# Altium PCB VAMoS Rev C.PcbDoc (part 2 of 2)
Units mm, origin at the board's own origin, x right, y up, seen from the top; angles counter-clockwise.
Board outline 72.16 x 90.81 mm, 4 copper layers (Top Signal Layer, Power Plane, Ground Plane, Bottom Signal Layer), stack 1.554 mm thick; 228 components, 106 nets, 614 pads, 749 vias.
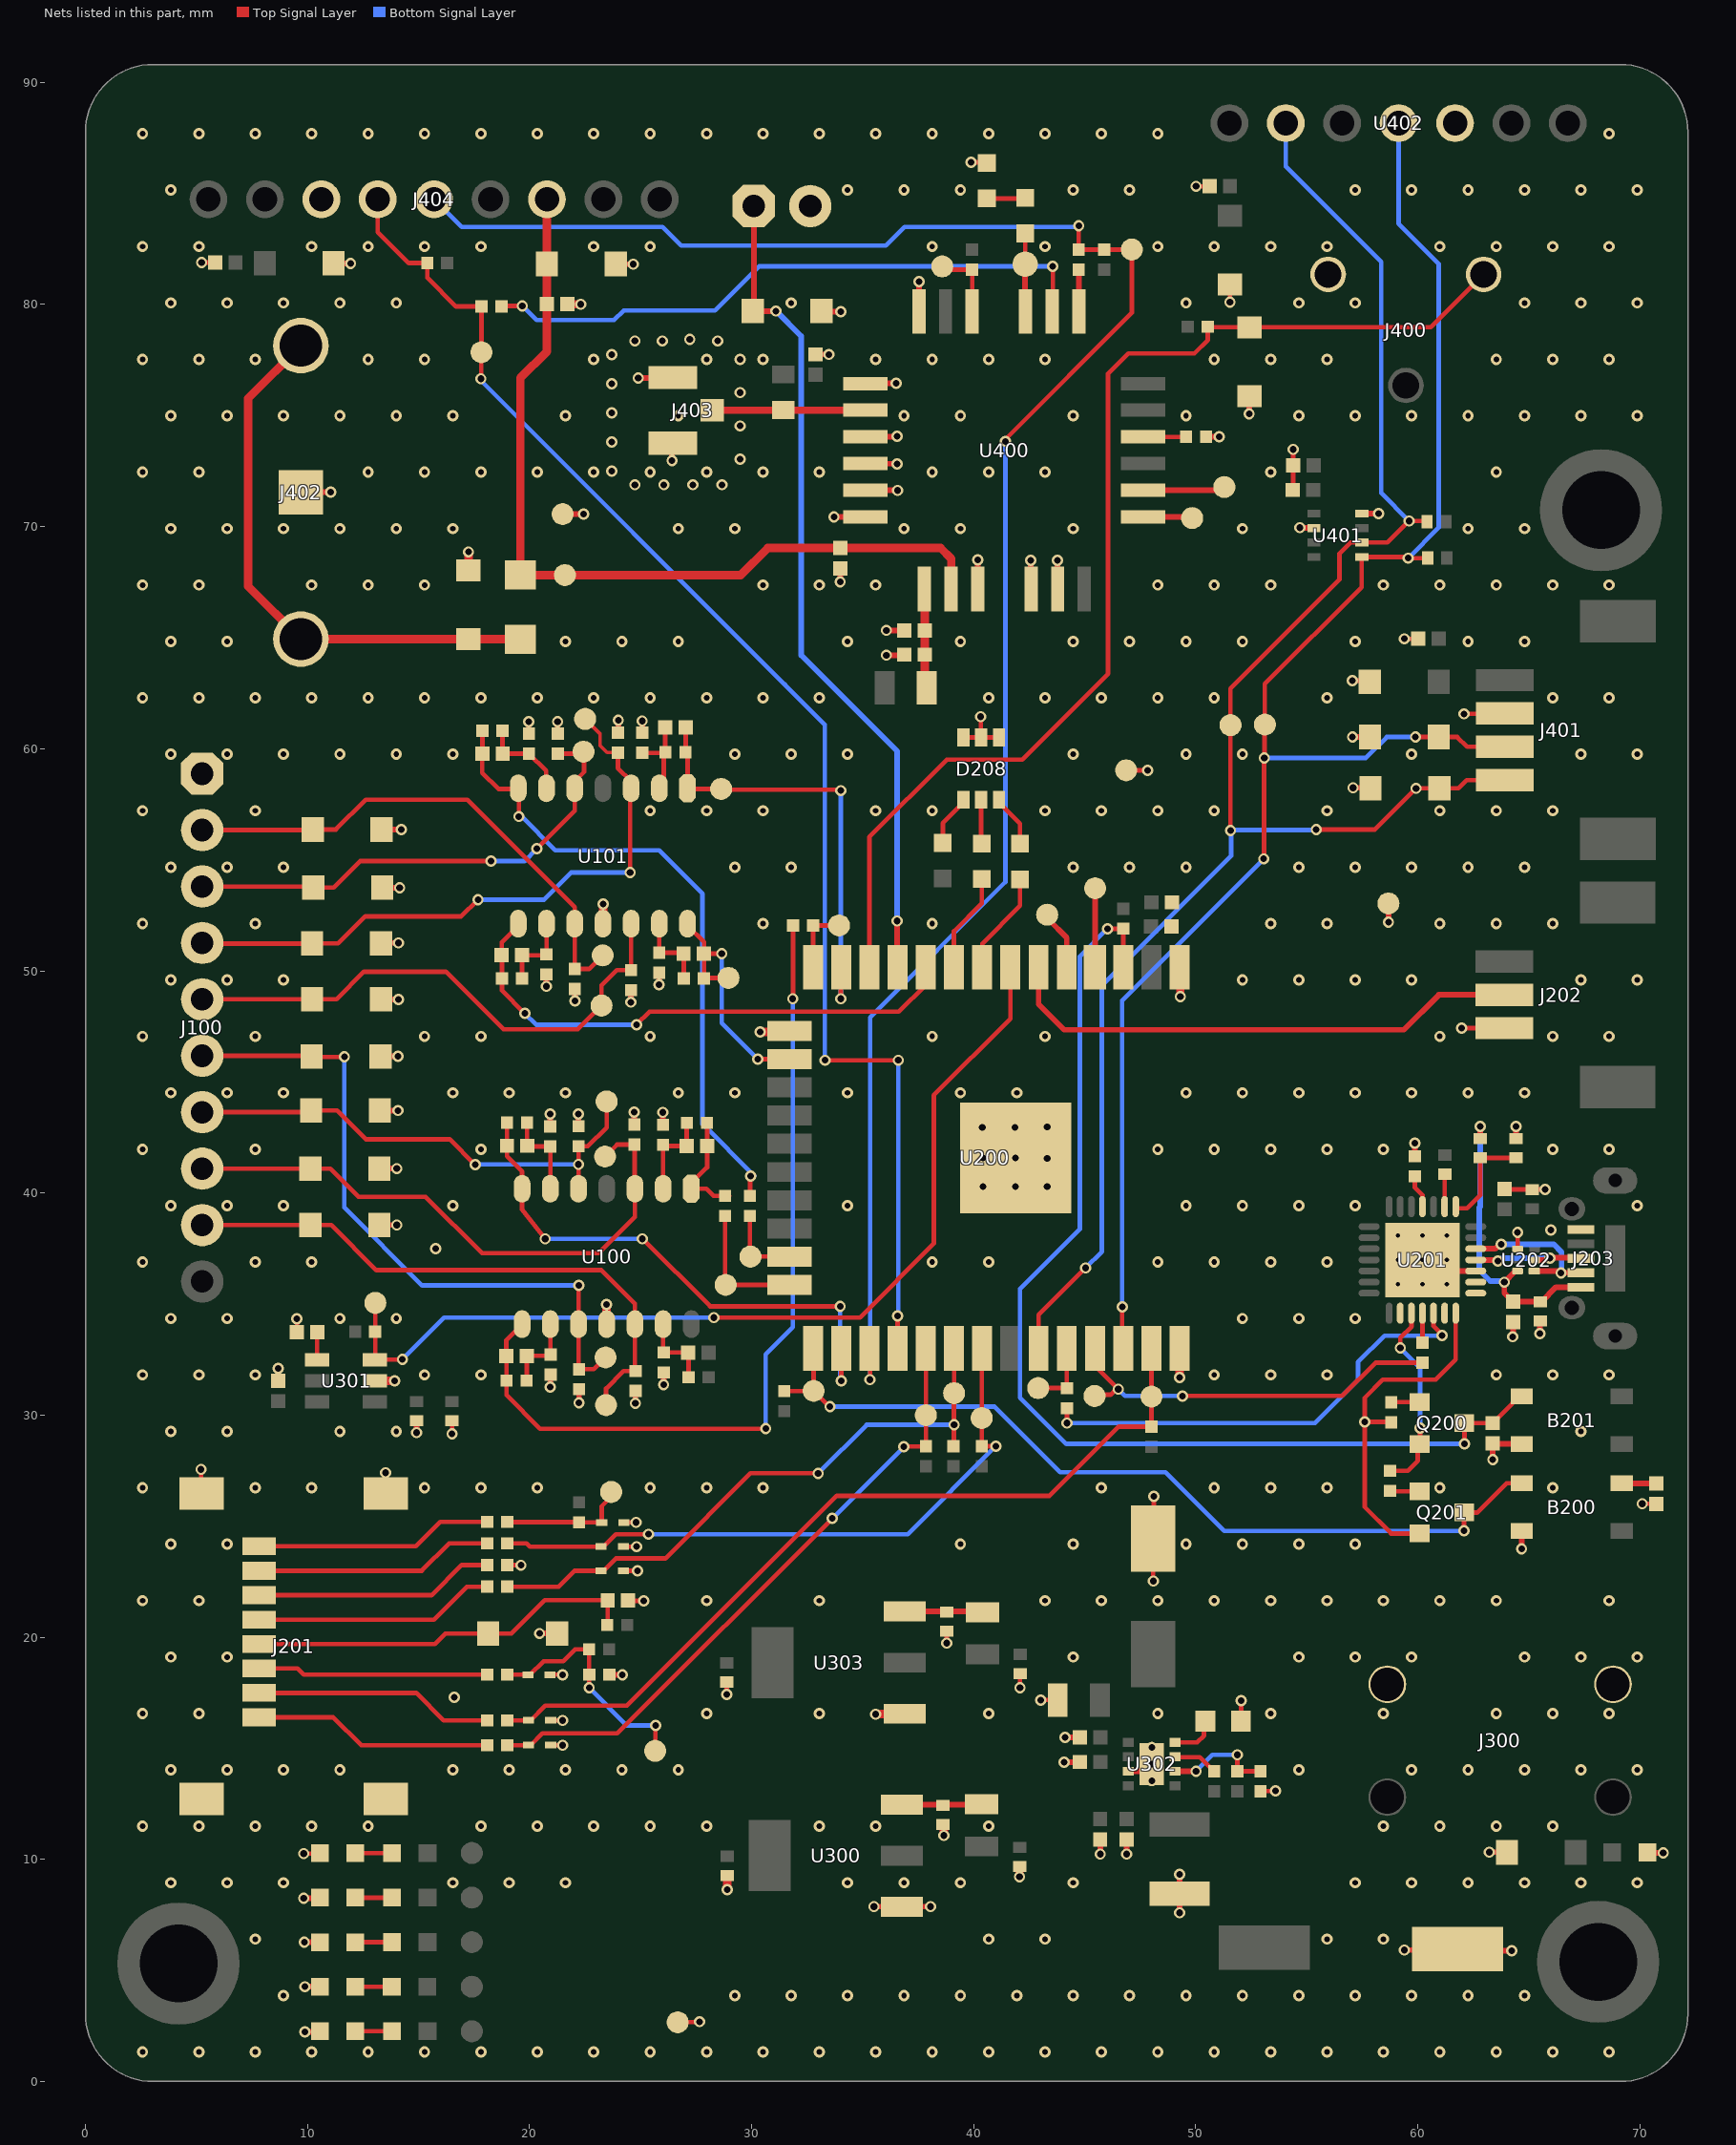
[diagram p4: the nets of this part, all layers, seen from the top]

## Via types
v1: diameter 0.508, hole 0.254, Top Signal Layer to Bottom Signal Layer, tented both sides, 474 vias
v2: diameter 0.508, hole 0.305, Top Signal Layer to Bottom Signal Layer, tented both sides, 245 vias
v3: diameter 0.889, hole 0.457, Top Signal Layer to Bottom Signal Layer, tented both sides, 10 vias
v4: diameter 0.5, hole 0.2, Top Signal Layer to Bottom Signal Layer, tented both sides, 9 vias
v5: diameter 0.508, hole 0.305, Top Signal Layer to Bottom Signal Layer, tented bottom, 6 vias
v6: diameter 0.508, hole 0.305, Top Signal Layer to Bottom Signal Layer, 3 vias
v7: diameter 0.889, hole 0.457, Top Signal Layer to Bottom Signal Layer, 2 vias

## Nets (pads, with @x,y where several pads share a name; then routed paths per layer and width w, separated by ;. In a path a pad name is that pad's centre, name@x,y a point inside that pad or via, vN(x,y) a via of type N, cw(c..) or ccw(c..) an arc to the next point about the centre after c; other vN are vias at no path point) (continued)
ALPHS1: C101.2 R109.2 R204.2 U100.1 | length 5.1
  Top Signal Layer w0.203: C101.2@27.86,42.049 C101.2@27.87,42.039 ; R109.2@27.984,43.155 R109.2@27.991,43.162 ; R109.2@27.994,43.145 C101.2@27.994,42.113 27.994,41.151 27.284,40.441 U100.1@27.284,40.191 27.957,40.191 28.277,39.871 R204.2@28.981,39.871
ALPHS2: C102.2 R110.2 U100.7 U200.26 | length 25.2
  Top Signal Layer w0.203: R110.2@18.992,43.102 18.982,43.092 C102.2@18.982,42.124 18.982,41.648 19.664,40.966 U100.7@19.664,40.191 19.664,39.254 v2(20.701,37.937) ; v2(25.076,37.937) 25.093,37.937 28.13,34.9 v2(33.985,34.9) ; U200.26@34.03,33.005 34.011,32.986 34.036,32.96 v2(34.036,31.547)
  Bottom Signal Layer w0.203: v2(20.701,37.937) v2(25.076,37.937) ; v2(33.985,34.9) 33.985,31.598 v2(34.036,31.547)
ALPHS3: C103.2 R111.2 R205.2 U100.8 | length 39
  Top Signal Layer w0.203: U100.8@19.664,34.095 18.953,33.384 C103.2@18.953,32.669 18.963,32.659 R111.2@18.963,31.557 18.963,30.9 20.475,29.388 v2(30.632,29.388) ; v2(31.852,48.743) 31.866,48.757 R205.2@31.866,52.045
  Bottom Signal Layer w0.203: v2(30.632,29.388) 30.632,32.741 31.852,33.96 v2(31.852,48.743)
ALPHS4: C104.2 R120.2 TP207.1 U101.14 U200.16 | length 11.7
  Top Signal Layer w0.203: U101.14@27.112,52.123 27.112,52.034 27.854,51.292 C104.2@27.854,50.777 ; R120.2@27.844,49.661 R120.2@27.854,49.671 ; v2(28.651,50.775) 27.856,50.775 C104.2@27.854,50.777 ; TP207.1@29.083,49.682 TP207.1@28.956,49.682 27.866,49.682 R120.2@27.854,49.671 ; v2(30.277,46.025) U200.16@31.71,46.025 ; R120.2@27.854,49.671 C104.2@27.854,50.777
  Bottom Signal Layer w0.203: v2(28.651,50.775) 28.651,47.65 v2(30.277,46.025)
ALPHS5: C105.2 R121.2 TP206.1 U101.1 U200.13 | length 20.7
  Top Signal Layer w0.203: R121.2@27.018,59.842 27.112,59.749 U101.1@27.112,58.219 ; R121.2@27.028,59.906 C105.2@27.028,60.96 ; U101.1@27.112,57.969 U101.1@27.112,58.219 ; v2(34.011,48.743) 34.011,50.136 U200.13@34.03,50.155 ; v2(34.011,58.115) 33.972,58.153 28.664,58.153 TP206.1@28.626,58.191 27.139,58.191 U101.1@27.112,58.219
  Bottom Signal Layer w0.203: v2(34.011,48.743) v2(34.011,58.115)
ALPHS6: C106.2 R122.2 R200.2 U101.7 | length 29.4
  Top Signal Layer w0.203: R122.2@17.848,60.777 R122.2@17.881,60.81 17.881,59.79 C106.2@17.871,59.78 17.871,58.914 18.593,58.191 19.464,58.191 U101.7@19.492,58.219 19.517,58.193 v2(19.517,56.949) ; R200.2@29.921,39.871 29.934,39.884 29.934,40.754 v2(29.947,40.767)
  Bottom Signal Layer w0.203: v2(19.517,56.949) 19.644,56.949 21.163,55.43 25.829,55.43 27.788,53.471 27.788,44.958 27.788,43.104 v2@30.124,40.767
ALPHS7: C107.2 R123.2 U101.8 U200.10 | length 24.5
  Top Signal Layer w0.203: U101.8@19.492,52.123 19.492,52.034 18.744,51.286 C107.2@18.744,50.705 18.762,50.686 R123.2@18.762,49.659 18.762,49.106 v2@19.761,48.108 ; v2(24.816,47.574) 25.4,48.158 36.627,48.158 37.84,49.371 U200.10@37.84,50.155
  Bottom Signal Layer w0.203: v2(19.787,48.082) 20.295,47.574 v2(24.816,47.574)
ALPHS_EN: R300.1 TP304.1 U200.7 U301.3 | length 43.7
  Top Signal Layer w0.203: U301.3@13.035,32.497 U301.3@13.042,32.504 ; TP304.1@13.056,35.052 13.056,32.518 U301.3@13.042,32.504 ; v2(14.275,32.512) 14.267,32.504 U301.3@13.042,32.504 ; v2(28.296,34.392) 34.877,34.392 38.202,37.716 38.202,44.399 41.65,47.847 U200.7@41.65,50.155
  Bottom Signal Layer w0.203: v2(14.275,32.512) 16.154,34.392 v2(28.296,34.392)
BOOT14: R205.1 TP213.1 U200.14 | length 3.1
  Top Signal Layer w0.203: U200.14@32.76,50.155 32.766,50.161 R205.1@32.766,52.045 TP213.1@33.934,52.045
BOOT23: R200.1 TP212.1 U200.23 | length 3.6
  Top Signal Layer w0.203: R200.1@29.921,38.971 29.921,37.135 U200.23@31.71,37.135
BOOT24: R204.1 TP211.1 U200.24 | length 6
  Top Signal Layer w0.203: R204.1@28.804,38.971 28.804,35.865 U200.24@31.71,35.865
BOOT25: B200.1 Q201.3 R203.1 TP210.1 U200.25 | length 38.8
  Top Signal Layer w0.203: R203.1@31.471,31.082 31.474,31.086 32.788,31.086 TP210.1@32.791,31.09 33.503,30.378 v2(33.528,30.378) ; U200.25@32.76,33.005 32.791,32.973 TP210.1@32.791,31.445 ; v2(62.078,24.79) Q201.3@62.078,25.611 ; Q201.3@62.087,25.621 Q201.3@62.078,25.611 ; B200.1@64.679,26.932 63.991,26.932 62.67,25.611 Q201.3@62.078,25.611
  Bottom Signal Layer w0.203: v2(33.528,30.378) 40.945,30.378 43.891,27.432 48.641,27.432 51.283,24.79 v2(62.078,24.79)
CP_RX: R222.1 U201.25 | length 1.4
  Top Signal Layer w0.203: R222.1@60.198,33.249 R222.1@60.205,33.256 U201.25@60.205,34.663
CP_TX: R221.1 U201.26 | length 20.9
  Top Signal Layer w0.203: v2(44.196,29.642) R221.1@44.196,30.309 ; U201.26@60.706,34.662 60.706,34.011 61.087,33.63 v2(61.087,33.579)
  Bottom Signal Layer w0.203: v2(44.196,29.642) 55.372,29.642 57.302,31.572 57.302,32.385 58.496,33.579 v2(61.087,33.579)
CTS: U201.23
DCD: U201.1
DSR: U201.27
DTR: Q201.2 R228.2 U201.28 | length 16.1
  Top Signal Layer w0.203: R228.2@58.801,29.674 58.783,29.693 v2(57.607,29.693) ; Q201.2@60.087,24.671 58.794,24.671 57.607,25.857 v2(57.607,29.693) ; U201.28@61.705,34.663 61.705,32.495 60.808,31.598 58.42,31.598 57.607,30.785 v2(57.607,29.693)
ESP_RX: R221.2 TP214.1 U200.34 | length 3
  Top Signal Layer w0.203: TP214.1@42.901,31.445 43.129,31.217 43.962,31.217 44.075,31.33 R221.2@44.19,31.444 ; U200.34@44.19,33.005 R221.2@44.19,31.444 ; R221.2@44.196,31.438 R221.2@44.19,31.444
ESP_TX: R222.2 TP215.1 U200.35 | length 17.9
  Top Signal Layer w0.203: TP215.1@45.441,30.919 46.164,30.919 46.411,31.166 v2(46.507,31.166) 46.459,31.214 45.46,32.214 U200.35@45.46,33.005 ; v2(49.403,30.861) 56.591,30.861 58.086,32.356 R222.2@60.205,32.356
  Bottom Signal Layer w0.203: v2(46.507,31.166) 46.812,30.861 v2(49.403,30.861)
EXT_TEMP: D404.1 J400.1 R400.1 U200.12 | length 52.6
  Top Signal Layer w0.203: U200.12@35.3,50.155 35.3,56.026 38.786,59.512 42.189,59.512 46.05,63.373 46.05,76.886 46.965,77.8 49.936,77.8 50.539,78.403 R400.1@50.539,78.994 50.551,78.982 52.413,78.982 D404.1@52.426,78.969 52.428,78.972 60.577,78.972 J400.1@62.961,81.356 J400.1@63.24,81.356
GND: B200.3 B201.3 C200.2 C201.1 C202.2 C203.1 C204.2 C206.2 C207.1 C208.2 C209.2 C300.1 C301.1 C302.1 C303.2 C304.1 C305.1 C306.2 C307.1 C308.2 C309.1 C310.2 C311.2 C312.1 C313.1 C314.1 C315.2 C316.2 C317.1 C318.2 C319.2 C400.1 C401.1 C402.1 C403.1 C404.2 C405.1 C406.1 C407.1 C408.1 C409.1 D100.2 D101.2 D102.2 D103.2 D104.2 D105.2 D106.2 D107.2 D200.2 D201.2 D202.1 D203.1 D204.1 D205.1 D206.1 D207.1 D208.1 D208.2 D208.3 D300.2 D301.2 D302.2 D303.2 D304.2 D305.2 D400.2 D401.2 D402.2 D403.2 D404.2 D405.2 D407.2 D409.2 D410.2 J100.1 J200.2 J201.9 J201.10 J201.11 J201.12 J202.3 J203.5 J300.1 J400.3 J401.2 J402.2 J403.GND J404.7 R100.1 R101.1 R102.1 R103.1 R104.1 R105.1 R106.1 R107.1 R112.1 R113.1 R114.1 R115.1 R116.1 R117.1 R118.1 R119.1 R201.2 R223.2 R225.1 R227.2 R304.1 R405.1 TP300.1 TP301.1 TP302.1 TP303.1 U100.11 U101.11 U200.1 U200.15 U200.38 U201.3 U201.29 U202.4 U300.1 U301.2 U302.3 U303.1 U400.1 U400.3 U400.4 U400.5 U400.6 U400.9 U400.10 U400.11 U400.24 U401.1 U401.7 U402.3 | length 116.7
  Top Signal Layer w0.203: v2(5.207,27.559) 5.207,26.507 5.232,26.482 J201.9@5.223,26.473 ; v2(5.232,81.89) C408.1@5.839,81.89 ; C311.2@8.687,31.518 v2(8.687,32.106) ; C310.2@9.519,33.731 9.525,33.737 v2(9.525,34.341) ; v2(9.83,10.262) 10.535,10.262 D301.2@10.554,10.281 ; v2(13.513,27.407) 13.513,26.483 J201.10@13.523,26.473 ; v2(16.51,29.159) C313.1@16.51,29.745 ; R201.2@18.992,23.249 18.996,23.245 19.605,23.245 v2(19.609,23.241) ; v2(19.964,61.214) 19.964,60.685 R116.1@19.974,60.675 ; D205.1@20.922,18.313 v2(21.488,18.313) ; D207.1@20.947,15.138 v2(21.488,15.138) ; D206.1@20.947,16.256 v2(21.488,16.256) ; D204.1@24.224,22.987 v2(24.867,22.987) ; D203.1@24.224,24.079 v2(24.816,24.079) ; D202.1@24.249,25.171 v2(24.79,25.171) ; C200.2@24.438,21.666 24.463,21.641 v2(25.146,21.641) ; TP300.1@26.67,2.667 26.683,2.68 27.648,2.68 v2(27.661,2.692) ; v2(28.88,17.424) C317.1@28.88,17.955 ; U200.15@31.659,47.244 U200.15@31.71,47.295 ; v2(38.786,19.736) 38.786,20.243 C314.1@38.79,20.247 ; D208.3@39.535,60.506 D208.2@40.335,60.506 ; v2(39.878,86.398) 40.564,86.398 D407.2@40.589,86.373 ; v2(40.31,61.443) 40.322,61.43 40.322,60.518 D208.2@40.335,60.506 ; D208.1@41.135,60.506 D208.2@40.335,60.506 ; v2(42.084,17.722) 42.084,18.334 C312.1@42.088,18.338 ; v2(43.019,17.174) 43.775,17.174 C304.1@43.779,17.17 ; TP302.1@46.863,59.03 v2(47.828,59.03) ; v2(48.082,22.53) C303.2@48.082,24.442 48.108,24.468 v2(48.108,26.34) ; U200.1@49.27,50.155 U200.1@49.301,50.123 ; v2(50.013,85.319) C402.1@50.619,85.319 ; v2(51.537,80.112) D403.2@51.537,80.898 ; C309.1@52.032,16.231 52.045,16.243 v2(52.045,17.145) ; R304.1@52.908,13.07 52.914,13.076 53.589,13.076 v2(53.594,13.081) ; C406.1@54.363,71.652 54.386,71.675 C407.1@54.386,72.75 v2(54.386,73.474) v2@54.394,73.482 ; v2(57.048,63.068) 57.784,63.068 D400.2@57.835,63.017 ; v2(59.385,64.948) C400.1@60.017,64.948 ; v2(61.976,47.422) J202.3@63.896,47.42 J202.3@63.896,47.42 J202.3@63.898,47.422 ; v2(62.078,61.57) 63.887,61.57 J401.2@63.905,61.588 ; C204.2@63.906,40.187 63.938,40.156 C203.1@65.151,40.156 65.152,40.157 v2(65.735,40.157) v2(65.735,40.157) ; U202.4@64.487,37.482 64.489,37.484 v2(64.491,38.227) v2(64.491,38.227) ; v2(70.104,26.01) 70.736,26.01 C208.2@70.739,26.007
  Top Signal Layer w0.254: J402.2@9.701,71.542 9.71,71.552 v2(11.049,71.552) ; v2(9.83,8.255) 10.279,8.255 10.493,8.468 D302.2@10.503,8.458 ; v2(9.855,6.274) 10.327,6.274 10.542,6.489 D303.2@10.554,6.477 ; v2(9.881,2.235) 10.686,2.235 10.721,2.271 D305.2@10.732,2.261 ; v2(9.881,4.267) 10.579,4.267 10.655,4.343 D304.2@10.671,4.328 ; D410.2@11.177,81.864 11.202,81.839 v2(11.938,81.839) ; D100.2@13.234,38.557 v2(14.021,38.557) ; D102.2@13.234,41.097 v2(14.021,41.097) ; D104.2@13.259,43.713 v2(14.072,43.713) ; D106.2@13.285,46.152 v2(14.072,46.152) ; D103.2@13.298,51.256 13.3,51.257 v2(14.097,51.257) ; D101.2@13.31,48.717 v2(14.097,48.717) ; D107.2@13.336,56.363 v2(14.224,56.363) ; D105.2@13.361,53.746 v2(14.148,53.746) ; v2(14.91,29.21) C305.1@14.91,29.747 ; v2(20.447,20.168) D201.2@21.235,20.168 ; v2(20.752,49.301) 20.757,49.306 20.757,49.839 R118.1@20.762,49.844 ; v2(20.93,31.267) 20.938,31.275 20.938,31.816 R107.1@20.946,31.824 ; R106.1@20.93,42.995 v2(20.93,43.561) ; v2(21.26,61.214) 21.26,60.685 R117.1@21.27,60.675 ; TP301.1@21.488,70.561 v2(22.428,70.561) v2@22.454,70.587 ; R119.1@22.032,49.184 22.039,49.176 22.039,48.649 v2(22.047,48.641) ; v2(22.2,43.561) 22.2,43.008 R103.1@22.204,43.004 ; v2@22.227,30.558 22.227,31.162 R104.1@22.229,31.164 ; U100.11@23.474,34.095 U100.11@23.489,34.079 ; R223.2@23.589,18.313 v2(24.181,18.313) ; D409.2@23.881,81.822 23.89,81.813 v2(24.663,81.813) ; R115.1@23.978,60.724 23.993,60.74 v2(23.993,61.276) ; v2(24.562,48.59) 24.562,49.123 R113.1@24.572,49.133 ; v2(24.714,43.637) 24.714,43.085 R102.1@24.719,43.079 ; v2(24.765,30.531) 24.765,31.033 24.74,31.058 R101.1@24.769,31.088 ; v2(24.892,76.683) 26.418,76.683 J403.GND@26.445,76.71 ; v2(25.068,61.25) 25.069,61.249 R114.1@25.07,60.724 R114.1@25.07,60.724 ; v2(25.832,49.378) 25.837,49.383 25.837,49.915 R112.1@25.842,49.92 ; v2(26.001,43.629) 26.005,43.625 26.005,43.076 R105.1@26.01,43.071 ; v2(26.035,31.369) 26.037,31.371 26.037,31.917 R100.1@26.039,31.919 ; v2(26.416,72.974) 26.416,73.73 J403.GND@26.445,73.76 ; C404.2@32.868,77.752 32.869,77.751 33.476,77.751 v2(33.477,77.749) ; D200.2@33.148,79.705 33.174,79.68 v2(34.011,79.68) ; v2(33.706,70.434) 35.124,70.434 U400.6@35.131,70.44 ; v2(33.985,67.513) C401.1@33.985,68.117 ; U400.5@35.131,71.64 35.137,71.634 36.57,71.634 v2(36.576,71.628) ; U400.4@35.131,72.84 35.14,72.831 36.541,72.831 v2(36.551,72.822) ; U400.3@35.131,74.04 35.144,74.053 36.538,74.053 v2(36.551,74.066) ; U400.1@35.131,76.44 35.17,76.479 35.195,76.454 v2(36.5,76.454) ; v2(35.509,7.874) 36.756,7.874 U300.1@36.761,7.869 36.766,7.874 v2(38.049,7.874) ; v2(36.068,64.211) 36.853,64.211 C405.1@36.878,64.237 ; v2(36.068,65.329) C403.1@36.878,65.329 ; U400.24@37.541,79.68 U400.24@37.531,79.69 37.536,79.696 37.536,81.021 v2(37.541,81.026) ; U400.9@40.181,67.901 U400.9@40.181,67.2 ; v2(40.183,68.504) 40.183,67.203 U400.9@40.181,67.2 ; v2(42.57,68.478) 42.57,67.201 U400.10@42.581,67.19 ; v2(43.764,68.478) 43.772,68.47 43.772,67.199 U400.11@43.781,67.19 ; v2(44.069,14.376) 44.074,14.381 44.779,14.381 C306.2@44.784,14.386 ; v2(44.12,15.494) C308.2@44.777,15.494 ; v2(45.695,10.236) C318.2@45.695,10.899 ; C319.2@46.879,10.899 46.884,10.894 46.884,10.241 v2(46.888,10.236) ; U302.3@46.965,13.965 47.69,13.965 U302.3@48.015,14.29 ; v2(49.276,7.595) C316.2@49.276,8.463 v2(49.276,9.322) ; R405.1@50.443,74.041 R405.1@50.463,74.041 v2(51.054,74.041) ; v2(52.4,75.082) 52.4,75.844 D404.2@52.426,75.869 ; v2(54.686,69.952) 54.695,69.943 55.31,69.943 U401.7@55.319,69.934 ; v2(57.056,60.528) D401.2@57.843,60.528 ; v2(57.082,58.242) 57.844,58.242 D402.2@57.869,58.217 ; U401.1@57.469,70.584 57.493,70.559 57.519,70.585 v2(58.229,70.585) ; v2(58.674,52.197) TP303.1@58.674,53.035 ; v2(59.385,5.918) 61.728,5.918 C315.2@61.779,5.969 61.858,5.89 61.861,5.893 v2(64.219,5.893) ; R227.2@59.868,41.649 v2(59.868,42.24) ; v4(60.205,36.988) 60.705,36.488 U201.3@62.53,36.488 ; v2(63.215,10.323) 63.985,10.323 64.002,10.307 D300.2@64.007,10.312 ; v2(63.373,27.991) C206.2@63.373,28.722 63.387,28.708 64.665,28.708 B201.3@64.679,28.694 ; v2(64.275,33.528) 64.281,33.534 64.281,34.18 C209.2@64.287,34.186 ; R225.1@64.414,42.442 v2(64.414,43.002) ; v2(64.668,23.978) 64.668,24.772 B200.3@64.679,24.782 ; v2(65.495,33.676) 65.501,33.682 65.501,34.205 C207.1@65.507,34.211 ; C301.1@70.381,10.321 70.405,10.296 v2(71.048,10.296) ; U400.9@40.181,67.2 40.176,67.195 U400.9@40.181,67.19 U400.9@40.181,67.2 ; U101.11@23.302,52.123 U101.11@23.303,52.122
  Top Signal Layer w0.381: U301.2@13.035,31.547 v2(13.919,31.547) ; v2(17.247,68.859) 17.249,68.857 17.249,68.033 D405.2@17.251,68.031 ; C409.1@21.701,80.019 21.71,80.01 v2(22.301,80.01) ; U101.11@23.302,52.123 23.317,52.138 v2(23.317,53.01) ; v2(23.47,34.976) 23.47,34.099 U100.11@23.474,34.095 ; v2(28.905,8.636) 28.905,9.245 C307.1@28.909,9.249 ; v2(30.378,47.244) U200.15@31.659,47.244 ; v2(35.585,16.535) 35.596,16.546 36.878,16.546 U303.1@36.888,16.556 U303.1@36.898,16.546 ; C302.1@38.612,11.535 38.608,11.531 38.659,11.48 v2(38.659,11.074) ; v2(42.062,9.22) 42.06,9.222 42.06,9.594 C300.1@42.062,9.596 ; U200.38@49.27,33.005 49.276,32.998 v2(49.276,31.699) ; v2(49.301,48.844) U200.1@49.301,50.123
  other v1: 2.569,1.33 5.109,1.33 7.649,1.33 10.189,1.33 12.729,1.33 15.269,1.33 17.809,1.33 20.349,1.33 22.889,1.33 25.429,1.33 27.969,1.33 30.509,1.33 33.049,1.33 35.589,1.33 38.129,1.33 40.669,1.33 43.209,1.33 45.749,1.33 48.289,1.33 50.829,1.33 53.369,1.33 55.909,1.33 58.449,1.33 60.989,1.33 63.529,1.33 66.069,1.33 68.609,1.33 8.919,3.87 29.239,3.87 31.779,3.87 34.319,3.87 36.859,3.87 39.399,3.87 41.939,3.87 44.479,3.87 47.019,3.87 49.559,3.87 52.099,3.87 54.639,3.87 57.179,3.87 59.719,3.87 62.259,3.87 64.799,3.87 7.649,6.41 40.669,6.41 43.209,6.41 55.909,6.41 58.449,6.41 3.839,8.95 6.379,8.95 8.919,8.95 16.539,8.95 19.079,8.95 21.619,8.95 34.319,8.95 36.859,8.95 39.399,8.95 44.479,8.95 57.179,8.95 59.719,8.95 62.259,8.95 64.799,8.95 67.339,8.95 69.879,8.95 2.569,11.49 5.109,11.49 7.649,11.49 10.189,11.49 12.729,11.49 17.809,11.49 20.349,11.49 22.889,11.49 25.429,11.49 27.969,11.49 33.049,11.49 35.589,11.49 40.669,11.49 58.449,11.49 60.989,11.49 63.529,11.49 66.069,11.49 3.839,14.03 6.379,14.03 8.919,14.03 11.459,14.03 16.539,14.03 19.079,14.03 21.619,14.03 24.159,14.03 26.699,14.03 54.639,14.03 59.719,14.03 62.259,14.03 64.799,14.03 67.339,14.03 69.879,14.03 2.569,16.57 5.109,16.57 27.969,16.57 33.049,16.57 40.669,16.57 48.289,16.57 53.369,16.57 58.449,16.57 63.529,16.57 66.069,16.57 68.609,16.57 3.839,19.11 6.379,19.11 44.479,19.11 54.639,19.11 57.179,19.11 59.719,19.11 64.799,19.11 67.339,19.11 69.879,19.11 2.569,21.65 5.109,21.65 27.969,21.65 33.049,21.65 43.209,21.65 45.749,21.65 48.289,21.65 50.829,21.65 53.369,21.65 55.909,21.65 58.449,21.65 60.989,21.65 63.529,21.65 68.609,21.65 3.839,24.19 6.379,24.19 39.399,24.19 44.479,24.19 49.559,24.19 52.099,24.19 54.639,24.19 57.179,24.19 2.569,26.73 7.649,26.73 10.189,26.73 15.269,26.73 17.809,26.73 20.349,26.73 25.429,26.73 27.969,26.73 30.509,26.73 45.749,26.73 50.829,26.73 53.369,26.73 55.909,26.73 60.989,26.73 66.069,26.73 3.839,29.27 6.379,29.27 11.459,29.27 13.999,29.27 67.339,29.27 2.569,31.81 5.109,31.81 7.649,31.81 15.269,31.81 17.809,31.81 50.829,31.81 53.369,31.81 55.909,31.81 63.529,31.81 66.069,31.81 68.609,31.81 3.839,34.35 6.379,34.35 11.459,34.35 13.999,34.35 52.099,34.35 54.639,34.35 57.179,34.35 2.569,36.89 7.649,36.89 10.189,36.89 38.129,36.89 40.669,36.89 48.289,36.89 50.829,36.89 53.369,36.89 55.909,36.89 3.839,39.43 6.379,39.43 8.919,39.43 16.539,39.43 34.319,39.43 49.559,39.43 52.099,39.43 54.639,39.43 57.179,39.43 69.879,39.43 2.569,41.97 7.649,41.97 17.809,41.97 48.289,41.97 50.829,41.97 53.369,41.97 55.909,41.97 58.449,41.97 66.069,41.97 68.609,41.97 3.839,44.51 6.379,44.51 8.919,44.51 16.539,44.51 19.079,44.51 21.619,44.51 26.699,44.51 29.239,44.51 34.319,44.51 39.399,44.51 41.939,44.51 49.559,44.51 52.099,44.51 54.639,44.51 57.179,44.51 59.719,44.51 62.259,44.51 64.799,44.51 2.569,47.05 7.649,47.05 15.269,47.05 17.809,47.05 25.429,47.05 38.129,47.05 43.209,47.05 60.989,47.05 66.069,47.05 68.609,47.05 3.839,49.59 6.379,49.59 8.919,49.59 52.099,49.59 54.639,49.59 57.179,49.59 59.719,49.59 67.339,49.59 69.879,49.59 2.569,52.13 7.649,52.13 30.509,52.13 38.129,52.13 53.369,52.13 55.909,52.13 60.989,52.13 63.529,52.13 66.069,52.13 3.839,54.67 6.379,54.67 8.919,54.67 29.239,54.67 31.779,54.67 44.479,54.67 47.019,54.67 49.559,54.67 54.639,54.67 57.179,54.67 59.719,54.67 62.259,54.67 64.799,54.67 2.569,57.21 7.649,57.21 25.429,57.21 27.969,57.21 30.509,57.21 35.589,57.21 38.129,57.21 43.209,57.21 45.749,57.21 48.289,57.21 50.829,57.21 55.909,57.21 60.989,57.21 63.529,57.21 66.069,57.21 3.839,59.75 6.379,59.75 8.919,59.75 11.459,59.75 13.999,59.75 16.539,59.75 29.239,59.75 31.779,59.75 34.319,59.75 44.479,59.75 49.559,59.75 52.099,59.75 59.719,59.75 67.339,59.75 69.879,59.75 2.569,62.29 5.109,62.29 7.649,62.29 10.189,62.29 12.729,62.29 15.269,62.29 17.809,62.29 20.349,62.29 22.889,62.29 25.429,62.29 27.969,62.29 30.509,62.29 33.049,62.29 40.669,62.29 43.209,62.29 45.749,62.29 48.289,62.29 50.829,62.29 55.909,62.29 66.069,62.29 68.609,62.29 3.839,64.83 6.379,64.83 21.619,64.83 24.159,64.83 26.699,64.83 34.319,64.83 39.399,64.83 44.479,64.83 47.019,64.83 49.559,64.83 52.099,64.83 57.179,64.83 62.259,64.83 64.799,64.83 2.569,67.37 5.109,67.37 10.189,67.37 12.729,67.37 15.269,67.37 30.509,67.37 33.049,67.37 35.589,67.37 48.289,67.37 50.829,67.37 53.369,67.37 58.449,67.37 60.989,67.37 63.529,67.37 66.069,67.37 68.609,67.37 3.839,69.91 6.379,69.91 8.919,69.91 11.459,69.91 13.999,69.91 16.539,69.91 26.699,69.91 29.239,69.91 36.859,69.91 39.399,69.91 44.479,69.91 52.099,69.91 62.259,69.91 64.799,69.91 2.569,72.45 5.109,72.45 12.729,72.45 15.269,72.45 17.809,72.45 20.349,72.45 22.889,72.45 25.429,72.45 27.969,72.45 30.509,72.45 33.049,72.45 38.129,72.45 40.669,72.45 43.209,72.45 53.369,72.45 63.529,72.45 3.839,74.99 6.379,74.99 8.919,74.99 11.459,74.99 13.999,74.99 16.539,74.99 21.619,74.99 26.699,74.99 36.859,74.99 39.399,74.99 44.479,74.99 49.559,74.99 54.639,74.99 57.179,74.99 59.719,74.99 62.259,74.99 64.799,74.99 67.339,74.99 69.879,74.99 2.569,77.53 5.109,77.53 7.649,77.53 12.729,77.53 15.269,77.53 22.889,77.53 27.969,77.53 30.509,77.53 35.589,77.53 38.129,77.53 40.669,77.53 43.209,77.53 50.829,77.53 53.369,77.53 55.909,77.53 63.529,77.53 66.069,77.53 68.609,77.53 3.839,80.07 6.379,80.07 8.919,80.07 11.459,80.07 13.999,80.07 31.779,80.07 49.559,80.07 54.639,80.07 57.179,80.07 64.799,80.07 67.339,80.07 69.879,80.07 2.569,82.61 5.109,82.61 10.189,82.61 12.729,82.61 15.269,82.61 17.809,82.61 22.889,82.61 25.429,82.61 38.129,82.61 43.209,82.61 48.289,82.61 50.829,82.61 53.369,82.61 55.909,82.61 60.989,82.61 63.529,82.61 66.069,82.61 68.609,82.61 3.839,85.15 34.319,85.15 36.859,85.15 39.399,85.15 44.479,85.15 47.019,85.15 57.179,85.15 59.719,85.15 62.259,85.15 64.799,85.15 67.339,85.15 69.879,85.15 2.569,87.69 5.109,87.69 7.649,87.69 10.189,87.69 12.729,87.69 15.269,87.69 17.809,87.69 20.349,87.69 22.889,87.69 25.429,87.69 27.969,87.69 30.509,87.69 33.049,87.69 35.589,87.69 38.129,87.69 40.669,87.69 43.209,87.69 45.749,87.69 48.289,87.69 68.609,87.69